# Altium PCB PCB_power_unit_3.PcbDoc (continued)
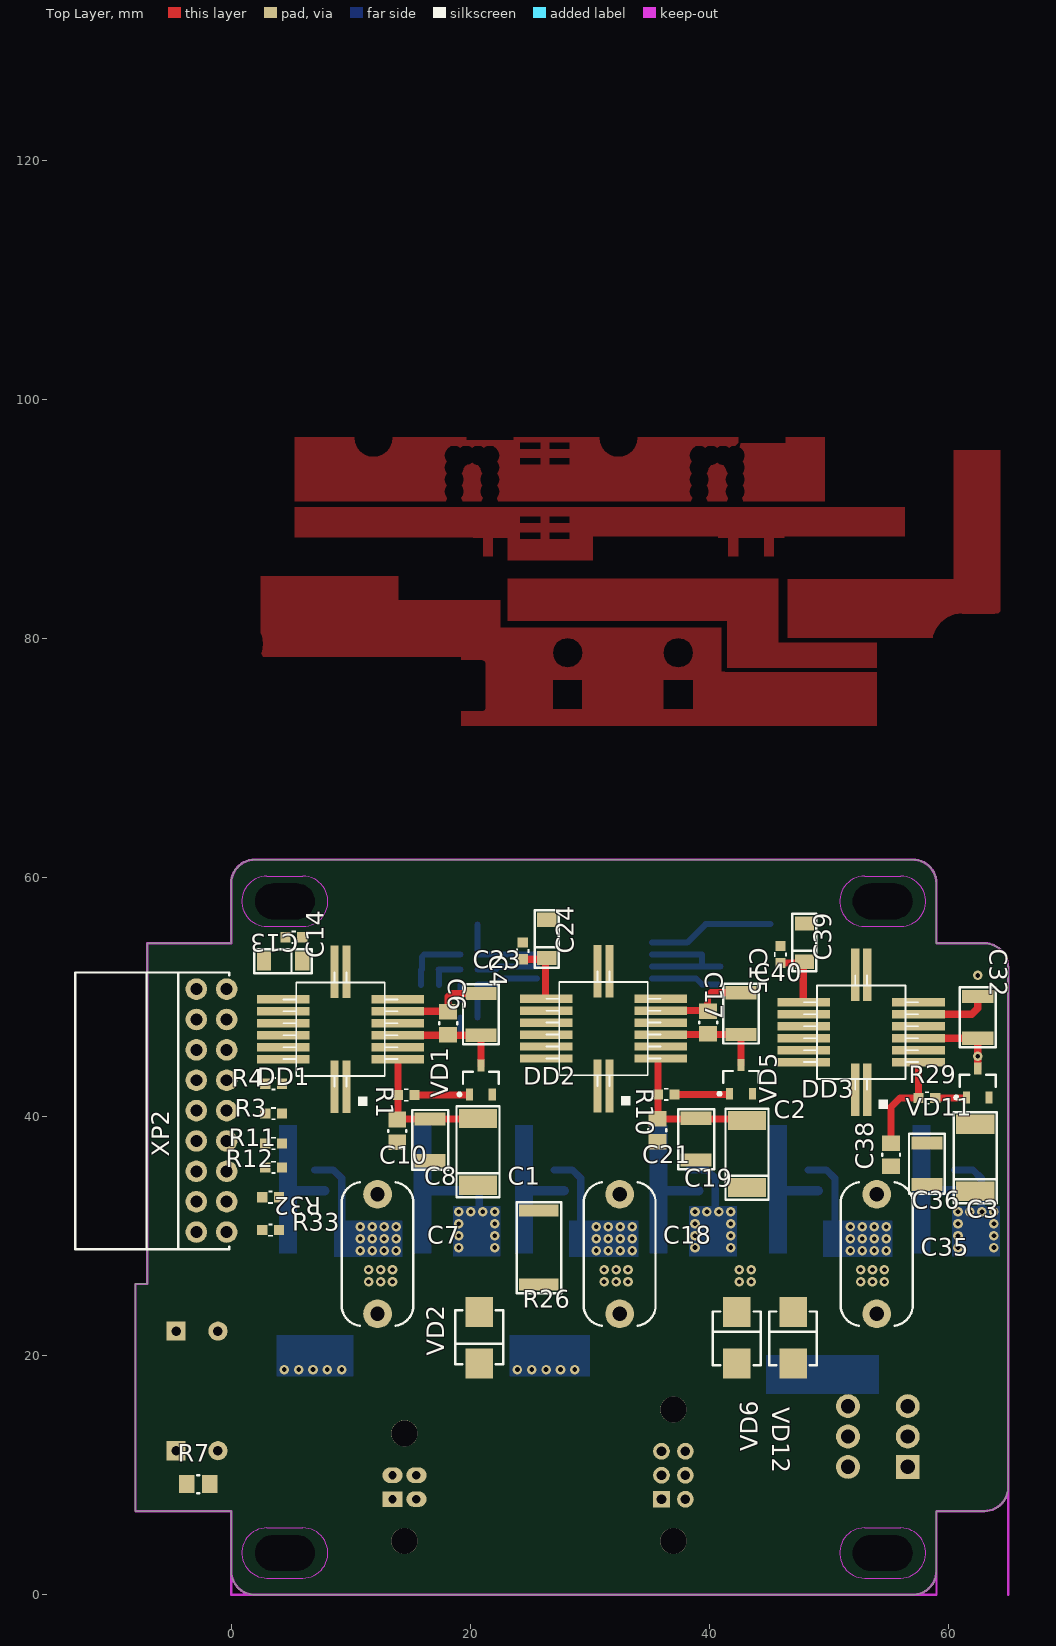
[diagram p0: Top Layer view]
## Components (designator, comment, footprint, x,y, rotation, side; value= is the part's Value field where it differs from the comment) (continued)
R30 "Resistor film, 100, ±5%, 0603, 0.1W, -55...+125°C" "RES: 0603P" 15.9,50.302 r90 bottom value=100
R31 "Resistor film, 2.61k, ±1%, 0603, 0.1W, -55...+125°C" "RES: 0603P" 19.9,54.802 r0 bottom value=2.61k
R32 "Resistor film, 10k, ±5%, 0603, 0.1W, -55...+125°C" "RES: 0603P" 3.3,33.25 r0 top value=10k
R33 "Resistor film, 10k, ±5%, 0603, 0.1W, -55...+125°C" "RES: 0603P" 3.3,30.5 r0 top value=10k
R34 "Resistor film, 20, ±5%, 0805, 0.125W, -55...+125°C" "RES: 0805P" 58.8,38.538 r180 bottom value=20
R35 "Resistor film, 10k, ±5%, 0603, 0.1W, -55...+125°C" "RES: 0603P" 62.05,33.788 r180 bottom value=10k
R36 "Resistor film, 20, ±5%, 0805, 0.125W, -55...+125°C" "RES: 0805P" 46.8,38.538 r180 bottom value=20
R37 "Resistor film, 10k, ±5%, 0603, 0.1W, -55...+125°C" "RES: 0603P" 49.8,33.788 r180 bottom value=10k
VD1 "shottki diode, 80V, 500mA; max 5 A@1ms, 0.8V, <22ns, SOT-23, -55...+150°C" SOT23#1 20.9,43.055 r90 top
VD2 "Zener diode, 56V, 8A, 0.9V, RecoveryTime, SMB, -55...+150°C" "DIODE: SMB" 20.75,21.5 r270 top
VD3 "TVS diode, 18V, 1A, VoltageDrop, RecoveryTime, SOT-23, -55...+150°C" SOT23#2 17.3,35.538 r0 bottom
VD4 "TVS diode, 18V, 1A, VoltageDrop, RecoveryTime, SOT-23, -55...+150°C" SOT23#2 5.8,35.538 r0 bottom
VD5 "shottki diode, 80V, 500mA; max 5 A@1ms, 0.8V, <22ns, SOT-23, -55...+150°C" SOT23#1 42.65,43.11 r90 top
VD6 "Zener diode, 56V, 8A, 0.9V, RecoveryTime, SMB, -55...+150°C" "DIODE: SMB" 47,21.5 r90 top
VD7 "fast Single diode, 80V, 200mA; max 1.5 A, 1V, 4ns, SOT-23, -55...+150°C" SOT23#2 8.702,52.353 r180 bottom
VD8 "TVS diode, 18V, 1A, VoltageDrop, RecoveryTime, SOT-23, -55...+150°C" SOT23#2 37.05,35.538 r0 bottom
VD9 "fast Single diode, 80V, 200mA; max 1.5 A, 1V, 4ns, SOT-23, -55...+150°C" SOT23#2 46.15,54.802 r270 bottom
VD10 "TVS diode, 18V, 1A, VoltageDrop, RecoveryTime, SOT-23, -55...+150°C" SOT23#2 25.8,35.538 r0 bottom
VD11 "shottki diode, 80V, 500mA; max 5 A@1ms, 0.8V, <22ns, SOT-23, -55...+150°C" SOT23#1 62.45,42.805 r90 top
VD12 "Zener diode, 56V, 8A, 0.9V, RecoveryTime, SMB, -55...+150°C" "DIODE: SMB" 42.3,21.5 r90 top
VD13 "TVS diode, 18V, 1A, VoltageDrop, RecoveryTime, SOT-23, -55...+150°C" SOT23#2 59.05,35.538 r0 bottom
VD14 "TVS diode, 18V, 1A, VoltageDrop, RecoveryTime, SOT-23, -55...+150°C" SOT23#2 47.05,35.538 r0 bottom
VD15 "shottki diode, 80V, 500mA; max 5 A@1ms, 0.8V, <22ns, SOT-23, -55...+150°C" SOT23#2 21.25,39 r180 bottom
VD16 "shottki diode, 80V, 500mA; max 5 A@1ms, 0.8V, <22ns, SOT-23, -55...+150°C" SOT23#2 9.75,39 r180 bottom
VD17 "shottki diode, 80V, 500mA; max 5 A@1ms, 0.8V, <22ns, SOT-23, -55...+150°C" SOT23#2 41.25,39 r180 bottom
VD18 "shottki diode, 80V, 500mA; max 5 A@1ms, 0.8V, <22ns, SOT-23, -55...+150°C" SOT23#2 30,39 r180 bottom
VD19 "shottki diode, 80V, 500mA; max 5 A@1ms, 0.8V, <22ns, SOT-23, -55...+150°C" SOT23#2 62.5,39 r180 bottom
VD20 "shottki diode, 80V, 500mA; max 5 A@1ms, 0.8V, <22ns, SOT-23, -55...+150°C" SOT23#2 51.25,39 r180 bottom
VT1 "MOSFET N-channel transistor, 100V, 32A@+25°C, 59nC, 2.5W, 45mOhm, 3200pF, DPAK (KT-89), -55...+150°C" DPAK 18.3,26.538 r270 bottom
VT2 "MOSFET N-channel transistor, 100V, 32A@+25°C, 59nC, 2.5W, 45mOhm, 3200pF, DPAK (KT-89), -55...+150°C" DPAK 7.05,26.538 r270 bottom
VT3 "MOSFET N-channel transistor, 100V, 32A@+25°C, 59nC, 2.5W, 45mOhm, 3200pF, DPAK (KT-89), -55...+150°C" DPAK 38.05,26.538 r270 bottom
VT4 "MOSFET N-channel transistor, 100V, 32A@+25°C, 59nC, 2.5W, 45mOhm, 3200pF, DPAK (KT-89), -55...+150°C" DPAK 26.8,26.538 r270 bottom
VT5 "MOSFET N-channel transistor, 100V, 32A@+25°C, 59nC, 2.5W, 45mOhm, 3200pF, DPAK (KT-89), -55...+150°C" DPAK 60.05,26.538 r270 bottom
VT6 "MOSFET N-channel transistor, 100V, 32A@+25°C, 59nC, 2.5W, 45mOhm, 3200pF, DPAK (KT-89), -55...+150°C" DPAK 48.05,26.538 r270 bottom
XP1 "Power" "CON: M80-5000605" 37,15.5 r0 bottom locked
XP2 "Connector, 18pin, 2.54mm, 500VAC, 3A" "CON: PLD-18R" -2.91,50.66 r90 top
XP3 "Вилка, 4pin, 2mm, 120VAC, 1.5A" "CON: M80-5000405" 14.5,9 r0 bottom locked
XT1 "Terminal connector, 3pin, 3.5mm, 300VAC, 6A" "CON: 233-403 WAGO" 51.6,10.7 r90 bottom locked

## Footprints (in the part's own frame and the unit in brackets; to place one, negate y for a bottom-side part, rotate by r counter-clockwise, add the part's x,y. Pads: shape width x height; smd on the part's side, far side on the other; paste and mask are expansions set on the pad)
16-Н04.16-1B [mm] "USSR"
  rect 0.7x4.4 smd mask+0.05: 1(-0.5,4.8) 8(-0.5,-4.8) 9(0.5,-4.8) 16(0.5,4.8)
  rect 4.4x0.7 smd mask+0.05: 2(-4.8,2.5) 3(-4.8,1.5) 4(-4.8,0.5) 5(-4.8,-0.5) 6(-4.8,-1.5) 7(-4.8,-2.5) 10(4.8,-2.5) 11(4.8,-1.5) 12(4.8,-0.5) 13(4.8,0.5) 14(4.8,1.5) 15(4.8,2.5)
  silkscreen extent -4.77,-4.77 4.77,6.4, body extent -7.84,-8 7.84,8, height 2.92
"CAP: 0603P" [mm] "small var"
  rect 0.85x0.85 smd: 1(-0.7,0) 2(0.7,0)
  silkscreen extent -0.2,-0.55 0.2,0.55, body extent -0.8,-0.4 0.8,0.4, height 0.3
"CAP: 0805P" [mm] "small footprint"
  rect 1.3x1.5 smd: 1(-0.95,0) 2(0.95,0)
  Top Layer pour cut-out: -0.25,-0.75 -0.25,0.75 0.25,0.75 0.25,-0.75
  silkscreen extent -0.08,-0.75 0.08,0.75, body extent -1,-0.62 1,0.63, height 0.78
"CAP: 1210" [mm]
  rect 1.1x2.6 smd: 1(-1.75,0) 2(1.75,0)
  silkscreen extent -2.5,-1.5 2.5,1.5, body extent -2,-1.24 2,1.24, height 1.7
"CAP: D8C3.5H12" [mm]
  rect 1.6x1.6 hole 0.8: 1(-1.75,0)
  round 1.6 hole 0.8: 2(1.75,0)
  silkscreen extent -4,-4 4,4, body extent -4.25,-4.25 4.25,4.25, height 13
"CAP: K73-17 12X10X6" [mm] "63V, 0.22uF"
  round 2.4 hole 1.2: 1(-5,0) 2(5,0)
  silkscreen extent -6,-3 6,3, body extent -6.5,-2.5 6.5,2.5, height 12.7
"CAP: TANTAL-A" [mm]
  rect 1.2x1.6 smd: 1(-1.6,0) 2(1.6,0)
  silkscreen extent -2.4,-1 2.4,1, body extent -1.7,-0.84 1.7,0.84, height 1.71
"CAP: TANTAL-C" [mm]
  rect 1.6x3.2 smd: 1(-2.8,0) 2(2.8,0)
  silkscreen extent -3.8,-1.8 3.8,1.8, body extent -3.05,-1.67 3.05,1.68, height 2.7
"CON: 233-403 WAGO" [mm] "pcb terminal strip"
  round 2 hole 1.2: 1(0,0) 2(2.54,0) 2(2.54,5) 3(5.08,0) 3(5.08,5)
  rect 2x2 hole 1.2: 1(0,5)
  round 0.5 on Mech2: ""(-3.577,5.073)
  round 0.5 on Bottom Overlay: ""(-3.577,5.073)
  silkscreen extent -2.83,-4.93 7.35,7.63, body extent -2.83,-4.93 7.09,7.4, height 11.73
"CON: M80-5000405" [mm] "4 pin; Harwin без винтов"
  round 2.2 hole 2.2 unplated: 0(0,-4.5) 0(0,4.5)
  rect 1.7x1.3 hole 0.7: 1(-1,1)
  oval 1.7x1.3 hole 0.7: 2(1,1) 3(-1,-1) 4(1,-1)
  silkscreen extent -3,-6.97 3.25,6.97, body extent -2.77,-7 3.28,7, height 5.6
"CON: M80-5000605" [mm] "HR500"
  round 2.2 hole 2.2 unplated mask+0.1: 0(0,0) 0(0,11)
  rect 1.4x1.4 hole 0.8: 1(-1,7.5)
  round 1.4 hole 0.8: 2(1,7.5) 3(-1,5.5) 4(1,5.5) 5(-1,3.5) 6(1,3.5)
  silkscreen extent -3,-2.5 3.25,13.5, body extent -2.78,-2.5 3.27,13.5, height 5.6
"CON: PLD-18R" [mm] "шаг 2.54,  угловая вилка"
  round 1.8 hole 1: 1(-20.32,-2.54) 2(-20.32,0) 3(-17.78,-2.54) 4(-17.78,0) 5(-15.24,-2.54) 6(-15.24,0) 7(-12.7,-2.54) 8(-12.7,0) 9(-10.16,-2.54) 10(-10.16,0) 11(-7.62,-2.54) 12(-7.62,0) 13(-5.08,-2.54) 14(-5.08,0) 15(-2.54,-2.54) 16(-2.54,0) 17(0,-2.54) 18(0,0)
  round 0.5 on Top Overlay: ""(-21.57,-3.27)
  silkscreen extent -21.77,-2.77 1.39,10.13, body extent -21.59,-2.82 1.27,10.08, height 5.08
"DIODE: SMB" [mm]
  rect 2.5x2.3 smd: 1(-2.15,0) 2(2.15,0)
  silkscreen extent -2.3,-2 2.2,2, body extent -2.75,-1.95 2.75,1.95, height 2.45
DPAK [mm]
  rect 3x1.6 smd: 1(-3.25,2.29) 2(-3.25,-2.29)
  rect 6.7x6.7 smd: 3(3.25,0)
  round 0.5 on Mech2: ""(-3.2,2.9)
  silkscreen extent -3.37,-3.62 6.9,3.71, body extent -3.8,-3.32 6.3,3.42, height 2.37
"RES: 0603P" [mm] "small footprint"
  rect 0.85x0.85 smd: 1(-0.7,0) 2(0.7,0)
  silkscreen extent -0.2,-0.55 0.2,0.55, body extent -0.8,-0.4 0.8,0.4, height 0.44
"RES: 0805P" [mm] "small footprint"
  rect 1.3x1.5 smd: 1(-0.95,0) 2(0.95,0)
  Top Layer pour cut-out: -0.25,-0.75 -0.25,0.75 0.25,0.75 0.25,-0.75
  silkscreen extent -0.08,-0.75 0.08,0.75, body extent -1,-0.62 1,0.63, height 0.6
"RES: 2512" [mm]
  rect 1x3.3 smd: 1(-3.1,0) 2(3.1,0)
  silkscreen extent -3.8,-1.85 3.8,1.85, body extent -3.17,-1.6 3.18,1.6, height 0.52
SOT23#1 [mm]
  rect 1x0.6 smd: 1(-1.2,0.95) 2(-1.2,-0.95) 3(1.2,0)
  round 0.5 on Mech1: ""(-0.9,1.1)
  silkscreen extent -1.32,-1.5 0.7,1.92, body extent -1.32,-1.52 1.32,1.52, height 1.12
SOT23#2 [mm]
  rect 1x0.6 smd: 1(-1.2,0.95) 2(-1.2,-0.95) 3(1.2,0)
  round 0.5 on Mech2: ""(-0.9,1.1)
  silkscreen extent -1.32,-1.5 0.7,1.92, body extent -1.32,-1.52 1.32,1.52, height 1.12

## Part data
C1 C2 C3: library part Tantal_C, Manufacturer=Элеконд, Package="case C (6032)", PartNumber="К53-68 \"С\"-25 В-10 мкф ±10%", Temperature=-60...+125°C, Tolerance=±10%, TypeCapacitor="Tantalum capacitor", TypeDielectric=X7R, Voltage=25V, HelpURL=https://eandc.ru/pdf/kondensator/k53-68.pdf, Impedance=0.8-1Ohm, ValueManufacturerPartNumber="Tantalum capacitor, 10мк, 25V, ±10%, 0.8-1Ohm, case C (6032), -60...+125°C"
C4 C8 C15 C19 C32 C36: library part Ceramic_1210, Manufacturer=Monolit, Package=1210, PartNumber="К10-84в-3225М-25~В-Н20-1 мкФ-O-A ±10% ФЦТА.673516.016 ТУ", Temperature=-55...+125°C, Tolerance=±10%, TypeCapacitor="Ceramic capacitor", TypeDielectric="Н20 (X7R)", Voltage=25V, HelpURL=http://monolit.vitebsk.by/products/kondensatory/K1084NOVYE/, ValueManufacturerPartNumber="Ceramic capacitor, 1мк, Н20 (X7R), ±10%, 25V, 1210, -55...+125°C"
C6 C10 C17 C21 C34 C38: library part Ceramic_0805, Manufacturer=Монолит, Package="0805 (2012)", PartNumber="К10-84в-2012М-50В-0,1 мкФ +80/-20%-Н90-N-A", Temperature=-55...+125°C, Tolerance="+80 -20%", TypeCapacitor="Ceramic capacitor", TypeDielectric="Н90 (Y5V)", Voltage=50V, Analog="00131672 (pin-to-pin)", HelpURL=http://monolit.vitebsk.by/products/kondensatory/K1084NOVYE/, ValueManufacturerPartNumber="Ceramic capacitor, 0.1мк, Н90 (Y5V), +80 -20%, 50V, 0805 (2012), -55...+125°C"
C7 C18 C35: library part Film, Manufacturer=Гириконд, Package="12x10 mm", PartNumber="K73-17-63В-0,22мкФ±10%-В АЖЯР.673633.004 ТУ", Temperature=-60...+125°C, Tolerance=±10%, TypeCapacitor="Film capacitor", Voltage=63VDC, HelpURL=http://www.giricond.ru/files/k73-17_.pdf, ValueManufacturerPartNumber="Film capacitor, 0.22мк, 63VDC, ±10%, Impedance, 12x10 mm, -60...+125°C"
C11 C12: library part Aluminium, Manufacturer=Элеконд, Package="8x11.3x3.5 mm", PartNumber="K50-93-63В-100мкФ ±20% -И-В АЖЯР.673541.021 ТУ", Temperature=-60...+100°C, Tolerance=±20%, TypeCapacitor="Aluminium capacitor", Voltage=63V, HelpURL=https://elecond.ru/production/capacitors/aluminum/k50-93, Impedance=0.342Ohm@100kHz, MAX=00139211, ValueManufacturerPartNumber="Aluminium capacitor, 100мк, 63V, ±20%, 0.342Ohm@100kHz, 8x11.3x3.5 mm, -60...+100°C"
C13 C24 C39: library part Tantal_A, Manufacturer=Элеконд, Package="case A (3216)", PartNumber="К53-68 \"А\"-10 В-4.7 мкф", Temperature=-55...+125°C, Tolerance=±10%, TypeCapacitor="Tantalum capacitor", TypeDielectric=X7R, Voltage=10V, HelpURL=https://www.digikey.com/product-detail/en/avx-corporation/F930J107KAAAJ6/478-12404-1-ND/9645231, Impedance=2Ohm, MAX=00130629, ValueManufacturerPartNumber="Tantalum capacitor, 4.7мк, 10V, ±10%, 2Ohm, case A (3216), -55...+125°C"
C14 C23 C30 C40: library part Ceramic_0603, Manufacturer=Гириконд, Package=0603, PartNumber="К10-79-10В-0,1 мкФ +80-20% H90", Temperature=-55...+125°C, Tolerance=+80-20%, TypeCapacitor="Ceramic capacitor", TypeDielectric=H90, Voltage=10V, HelpURL=http://www.giricond.ru/files/k10-79_vp_2018_saiyt.pdf, ValueManufacturerPartNumber="Ceramic capacitor, 0.1мк, H90, +80-20%, 10V, 0603, -55...+125°C"
  C14 C40: MAX=00131675
C22 C25 C26 C28 C29: library part Ceramic_0603, Manufacturer=Монолит, Package=0603, PartNumber="К10-84в-1608М-50В-0.01мк ±20%-Н20-N-A", Temperature=-55...+125°C, Tolerance=±20%, TypeCapacitor="Ceramic capacitor", TypeDielectric=H20, Voltage=50V, HelpURL=http://www.monolit.vitebsk.by/Files/K10-84.pdf, ValueManufacturerPartNumber="Ceramic capacitor, 0.01мк, H20, ±20%, 50V, 0603, -55...+125°C"
  C22 C26 C28 C29: Analog="MAX 00131676 (pin-to-pin)"
  C25: Analog="MAX 00132726 (pin-to-pin)"
C27 C31: library part Ceramic_0603, Manufacturer=Монолит, Package=0603, PartNumber="К10-84в-1608М-50В-47 пФ ±10%-МП0-N-A", Temperature=-55...+125°C, Tolerance=±10%, TypeCapacitor="Ceramic capacitor", TypeDielectric=МП0, Voltage=50V, Analog="00124425 (pin-to-pin)", HelpURL=http://monolit.vitebsk.by/products/kondensatory/K1047Mabv/, ValueManufacturerPartNumber="Ceramic capacitor, 47, МП0, ±10%, 50V, 0603, -55...+125°C"
DA1: "Op. Amp rail-to-rail", Manufacturer="НПП \"Восток\"", Analog=OP284FS, CodeMAX=00135502, HelpURL=http://www.vostok.nsk.su/files/pdf/544UD16U3.pdf, MAX=00135502, Part_Number=544УД16У3, Pattern/Footprint=16-Н04.16-1B, Published=2019, Publisher=Sokolov, TU="АЕЯР.431130.510 ТУ", Type="Операционный усилитель"
DD1 DD2 DD3: library part 1308ЕУ4БУ, "Gate driver", CurrentOutput=2A, Manufacturer="Кремний Эл", Package=Н04.16-2В, PartNumber=1308ЕУ4АУ, VoltageSupply="supply 4...15V", Analog="IR2113 IR", ComponentType="Hight&Low side gate driver", HelpURL=http://caxapa.ru/parts/files/1SHKtJ3.pdf, MAX=00131005, ValueManufacturerPartNumber="Hight&Low side gate driver, VoltageWork, Frequency, 2A, supply 4...15V, Temperature, Н04.16-2В"
R1 R10 R29: library part Resistor_0603, Manufacturer="ОАО Ресурс", Package=0603, PartNumber="Р1-12-0,1ум.-10~Ом ±2%-М ШКАБ.434110.002 ТУ", Power=0.1W, Temperature=-55...+125°C, Tolerance=±5%, TypeResistor="Resistor film", HelpURL=https://aoresurs.com/catalog/chip_rezistory/rezistory-r1-12-kategoriya-kachestva-vp-/, MAX=00133989, ValueManufacturerPartNumber="Resistor film, 10, ±5%, 0603, 0.1W, -55...+125°C"
R2 R3 R4 R6 R9 R11 R12 R14 R21 R32 R33 R35 R37: library part Resistor_0603, Manufacturer="ОАО Ресурс", Package=0603, PartNumber="Р1-12-0,1ум.-10~кОм ±5%-М ШКАБ.434110.002 ТУ", Power=0.1W, Temperature=-55...+125°C, Tolerance=±5%, TypeResistor="Resistor film", Analog="MAX 00133986 (1%)", HelpURL=https://aoresurs.com/catalog/chip_rezistory/rezistory-r1-12-kategoriya-kachestva-vp-/, ValueManufacturerPartNumber="Resistor film, 10k, ±5%, 0603, 0.1W, -55...+125°C"
R5 R8 R13 R20 R34 R36: library part Resistor_0805, Manufacturer="ОАО Ресурс", Package=0805, PartNumber="Р1-12-0,125-20 Ом ±5%-М ШКАБ.434110.002 ТУ", Power=0.125W, Temperature=-55...+125°C, Tolerance=±5%, TypeResistor="Resistor film", Analog="MAX 00133867 (22Ом)", HelpURL=https://aoresurs.com/catalog/chip_rezistory/rezistory-r1-12-kategoriya-kachestva-vp-/, ValueManufacturerPartNumber="Resistor film, 20, ±5%, 0805, 0.125W, -55...+125°C"
R7: library part Resistor_0603, Manufacturer="ОАО Ресурс", Package=0805, PartNumber="Р1-12-0,125-10~кОм ±1%-М ШКАБ.434110.002 ТУ", Power=0.125W, Temperature=-55...+125°C, Tolerance=±1%, TypeResistor="Resistor film", HelpURL=https://aoresurs.com/catalog/chip_rezistory/rezistory-r1-12-kategoriya-kachestva-vp-/, MAX=00134578, ValueManufacturerPartNumber="Resistor film, 10k, ±1%, 0805, 0.125W, -55...+125°C"
R15 R16: library part Resistor_0603, Manufacturer="ОАО Ресурс", Package=0603, PartNumber="Р1-12-0,1ум.-28~кОм ±5%-М ШКАБ.434110.002 ТУ", Power=0.1W, Temperature=-55...+125°C, Tolerance=±1%, TypeResistor="Resistor film", HelpURL=https://aoresurs.com/catalog/chip_rezistory/rezistory-r1-12-kategoriya-kachestva-vp-/, MAX=00134035, ValueManufacturerPartNumber="Resistor film, 28k, ±1%, 0603, 0.1W, -55...+125°C"
R17 R23 R25 R30: library part Resistor_0603, Manufacturer="ОАО Ресурс", Package=0603, PartNumber="Р1-12-0,1ум.-100~Ом ±5%-М ШКАБ.434110.002 ТУ", Power=0.1W, Temperature=-55...+125°C, Tolerance=±5%, TypeResistor="Resistor film", HelpURL=https://aoresurs.com/catalog/chip_rezistory/rezistory-r1-12-kategoriya-kachestva-vp-/, MAX=00133991, ValueManufacturerPartNumber="Resistor film, 100, ±5%, 0603, 0.1W, -55...+125°C"
R18: library part Resistor_0603, Manufacturer="ОАО Ресурс", Package=0603, PartNumber="Р1-12-0,1ум.-4.02~кОм±1%-М ШКАБ.434110.002 ТУ", Power=0.1W, Temperature=-55...+125°C, Tolerance=±1%, TypeResistor="Resistor film", HelpURL=https://aoresurs.com/catalog/chip_rezistory/rezistory-r1-12-kategoriya-kachestva-vp-/, MAX=00134054, ValueManufacturerPartNumber="Resistor film, 4.02k, ±1%, 0603, 0.1W, -55...+125°C"
R19 R24 R28: library part Resistor_0603, Manufacturer="ОАО Ресурс", Package=0603, PartNumber="Р1-12-0,1ум.-1~кОм ±1%-М ШКАБ.434110.002 ТУ", Power=0.1W, Temperature=-55...+125°C, Tolerance=±1%, TypeResistor="Resistor film", HelpURL=https://aoresurs.com/catalog/chip_rezistory/rezistory-r1-12-kategoriya-kachestva-vp-/, MAX=00133971, ValueManufacturerPartNumber="Resistor film, 1k, ±1%, 0603, 0.1W, -55...+125°C"
R22 R31: library part Resistor_0603, Manufacturer="ОАО Ресурс", Package=0603, PartNumber="Р1-12-0,1ум.-2.61~кОм±1%-М ШКАБ.434110.002 ТУ", Power=0.1W, Temperature=-55...+125°C, Tolerance=±1%, TypeResistor="Resistor film", HelpURL=https://aoresurs.com/catalog/chip_rezistory/rezistory-r1-12-kategoriya-kachestva-vp-/, MAX=00134019, ValueManufacturerPartNumber="Resistor film, 2.61k, ±1%, 0603, 0.1W, -55...+125°C"
R26: library part Resistor_2512, Manufacturer=Эркон, Package=2512, PartNumber="Р1-105-0,75-0,056 Ом±1% А РМУ.434150.001 ТУ", Power=0.75W, Temperature=-55...+125°C, Tolerance=±1%, TypeResistor="Resistor film", HelpURL=https://www.digikey.com/product-detail/en/yageo/RC2512JK-07100RL/YAG3393CT-ND/5962215, MAX=00149851, ValueManufacturerPartNumber="Resistor film, 0.056, ±1%, 2512, 0.75W, -55...+125°C"
VD1 VD5 VD11 VD15 VD16 VD17 VD18 VD19 VD20: library part 2ДШ205А9_SOT-23, Current="500mA; max 5 A@1ms", Manufacturer="ВЗПП Воронеж", Package=SOT-23, PartNumber=2ДШ205А9, Temperature=-55...+150°C, Voltage=80V, VoltageDrop=0.8V, Analog=MBR0580, RecoveryTime=<22ns, TypeDiode="shottki diode", ValueManufacturerPartNumber="shottki diode, 80V, 500mA; max 5 A@1ms, 0.8V, <22ns, SOT-23, -55...+150°C"
VD2 VD6 VD12: library part TVS_single, Current=8A, Manufacturer=ВЗПП, Package=SMB, PartNumber=2РС202Е91, Temperature=-55...+150°C, Voltage=56V, VoltageDrop=0.9V, Analog="SMBJ48CA (pin-to-pin)", HelpURL=http://www.nzpp.ru/product/, TypeDiode="Zener diode", ValueManufacturerPartNumber="Zener diode, 56V, 8A, 0.9V, RecoveryTime, SMB, -55...+150°C"
VD3 VD4 VD8 VD10 VD13 VD14: library part TVS_array_var2, Current=1A, Manufacturer=КРИП, Package=SOT-23, PartNumber=2Р192В9, Temperature=-55...+150°C, Voltage=18V, Analog="КР192А9 (ОТК) (pin-to-pin)", Cap=21pF, NOTE="указано для pin1-pin3", TypeDiode="TVS diode", Uогр.=22.5V, ValueManufacturerPartNumber="TVS diode, 18V, 1A, VoltageDrop, RecoveryTime, SOT-23, -55...+150°C"
VD7 VD9: library part Diode_single_SOT23, Current="200mA; max 1.5 A", Manufacturer=КРИП, Package=SOT-23, PartNumber=2Д707Б9, Temperature=-55...+150°C, Voltage=80V, VoltageDrop=1V, Analog=BAS16, HelpURL=https://kriptehno.ru/wp-content/uploads/2018/09/short_cat_kriptehno.pdf, RecoveryTime=4ns, TypeDiode="fast Single diode", ValueManufacturerPartNumber="fast Single diode, 80V, 200mA; max 1.5 A, 1V, 4ns, SOT-23, -55...+150°C"
VT1 VT2 VT3 VT4 VT5 VT6: library part 2ПЕ208В92_N_DPAK, "Ангстрем (ВП)", CurrentDS=32A@+25°C, InputCapacitor=3200pF, Manufacturer=Ангстрем, MaxPower=2.5W, Package="DPAK (KT-89)", PartNumber=2ПЕ208В92, Temperature=-55...+150°C, VoltageDS=100V, Analog=AnD28N10, GateCharge=59nC, HelpURL=https://angstrem.ru/ru/and28n10, RDS=45mOhm, TypeTransistor="MOSFET N-channel transistor", ValueManufacturerPartNumber="MOSFET N-channel transistor, 100V, 32A@+25°C, 59nC, 2.5W, 45mOhm, 3200pF, DPAK (KT-89), -55...+150°C"
XP1: library part "M80-5000605 Harwin", "вилка на плату", CurrentMax=1.5A, Manufacturer=Электродеталь, PartNumber=СНП401-6ВП21-3-1-1, ValueManufacturerPartNumber="Вилка, 6pin, 2mm, 120VAC, 1.5A", VoltageMax=120VAC, Analog="MAX 00126397 (M80-5000605 pin-to-pin)", CommentText=СНП401, HelpURL=https://eu.mouser.com/ProductDetail/Harwin/M80-5000605?qs=yQtJ9TWM%2F1KaJIUUBEXorg%3D%3D, Multichannel=6pin, Pitch=2mm, TypeConnector=Вилка
XP2: library part PLD-18, CurrentMax=3A, Manufacturer=Электродеталь, PartNumber="СНП393-18ВП31-2-01-5 РЮМК.430420.035 ТУ", VoltageMax=500VAC, Analog="MAX 000724477 (PLD-80R с доработкой до 18pin)", CommentText=СНП393, Multichannel=18pin, Pitch=2.54mm, TypeConnector=Connector, ValueManufacturerPartNumber="Connector, 18pin, 2.54mm, 500VAC, 3A"
XP3: library part "M80-5000405 Harwin", "вилка на плату", CurrentMax=1.5A, Manufacturer=Электродеталь, PartNumber=СНП401-4ВП21-3-1-1, VoltageMax=120VAC, Analog="MAX 00138661", CommentText=СНП401, HelpURL=https://eu.mouser.com/ProductDetail/Harwin/M80-5000405?qs=yQtJ9TWM%2F1IJnFqYnM2R9Q%3D%3D, Multichannel=4pin, Pitch=2mm, TypeConnector=Вилка, ValueManufacturerPartNumber="Вилка, 4pin, 2mm, 120VAC, 1.5A"
XT1: library part Connector_terminal_3pin, CurrentMax=6A, Manufacturer="Завод Атлант", PartNumber="СКПП-0.5-2.54У-3x2-2 СЦНК.434410.044 ТУ", VoltageMax=300VAC, Analog="233-403 Wago", CommentText=СКПП-0.5-2.54У, HelpURL=http://xn--80aaagkp6are6bd.xn--p1ai/main/soediniteli_klemmnye/klemmy_dlja_pechatnogo_montazha/skpp_05_254u_1(24)h2_2(3), Multichannel=3pin, Pitch=3.5mm, TypeConnector="Terminal connector", ValueManufacturerPartNumber="Terminal connector, 3pin, 3.5mm, 300VAC, 6A"

## Free pads (board coordinates)
  round 2.7 hole 3 slot 5 at 0 deg unplated mask+0.2: 1(4.5,3.5) 1(4.5,58) 1(54.5,3.5) 1(54.5,58)

## Via types
v1: diameter 0.8, hole 0.4, Top Layer to Bottom Layer, tented both sides, 100 vias

## Nets (pads, with @x,y where several pads share a name; then routed paths per layer and width w, separated by ;. In a path a pad name is that pad's centre, name@x,y a point inside that pad or via, vN(x,y) a via of type N, cw(c..) or ccw(c..) an arc to the next point about the centre after c; other vN are vias at no path point)
3V3A: C30.2 DA1.14 VD7.3 VD9.3 XP2.17 | length 6
  Bottom Layer w0.5: DA1.14 38.9,51.552 39.4,51.052 C30.2
5V: C13.1 C14.2 C23.2 C24.1 C39.1 C40.2 DD1.9 DD1.10 DD2.9 DD2.10 DD3.9 DD3.10 XP2.6 | length 10.3
  Top Layer w0.6: C23.2 26.3,53.16 DD2.10@26.3,49.91 ; C40.2 47.85,52.855 DD3.10@47.85,49.605
15DC: C25.1 R15.1 R18.2 VD7.1 XP2.12
+15V: C1.2 C2.2 C3.2 C8.2 C10.2 C19.2 C21.2 C36.2 C38.2 DD1.2 DD2.2 DD3.2 R1.1 R10.1 R15.2 R29.1 XP1.1 | length 33
  Top Layer w0.5: C1.2@20.5,39.805 C1.2@20.8,39.505
  Top Layer w0.6: C10.2 13.95,39.805 R1.1 DD1.2 ; C10.2@14.2,39.805 C1.2@20.5,39.805 ; DD2.2@35.7,44.81 R10.1 35.7,39.86 C21.2 43,39.81 C2.2 ; C38.2 55.2,40.805 55.95,41.555 R29.1 DD3.2
+27V: C7.1 C11.1 C12.1 C18.1 C35.1 R7.2 R16.2 VD2.2 VD6.2 VD12.2 VT1.3 VT3.3 VT5.3 XP1.3 XP1.5
AGND: C22.2 C25.2 C26.2 C29.2 C30.1 C31.2 DA1.6 R18.1 R19.1 R31.1 XP2.18
GND: C13.2 C14.1 C23.1 C24.2 C39.2 C40.1 DD1.11 DD1.15 DD2.11 DD2.15 DD3.11 DD3.15 R2.2 R3.2 R4.2 R11.2 R12.2 R32.2 R33.2 XP2.4 XP3.2 XP3.4
HI1: DD1.12 R2.1 XP2.13
HI2: DD2.12 R11.1 XP2.7
HI3: DD3.12 R32.1 XP2.3
IDC: C29.1 R25.2 XP2.16 | length 1.5
  Bottom Layer w0.5: C29.1 R25.2
Limit_L: XP2.10 XP3.1
Limit_R: XP2.8 XP3.3
LO1: DD1.14 R3.1 XP2.9
LO2: DD2.14 R12.1 XP2.5
LO3: DD3.14 R33.1 XP2.1
NetC4_2: C4.2 C6.2 DD1.4 VD1.3 | length 9.5
  Top Layer w0.6: DD1.4 C4.2 VD1.3
NetC15_2: C15.2 C17.2 DD2.4 VD5.3 | length 8.6
  Top Layer w0.6: DD2.4 C17.2@39.85,46.86 ; C17.2@39.95,46.86 C15.2 ; VD5.3 C15.2@42.65,46.36
NetC26_1: C26.1 DA1.11 R16.1 R19.2 VD9.1 | length 10.5
  Bottom Layer w0.5: DA1.11 38.15,54.552 39.7,56.102 C26.1 VD9.1@45.1,56.102
NetC27_1: C27.1 DA1.3 R22.2 R25.1 | length 8
  Bottom Layer w0.5: R25.1 C27.1 R22.2 22.15,51.052 22.65,51.552 DA1.3
NetC27_2: C27.2 DA1.4 R22.1 R24.2 | length 6.4
  Bottom Layer w0.5: C27.2 R22.1 ; R24.2 22.15,52.302 22.4,52.552 DA1.4
NetC28_1: C28.1 R23.2 R24.1 | length 3.1
  Bottom Layer w0.5: C28.1 R24.1 ; R23.2 C28.1@17.4,52.252
NetC28_2: C28.2 R28.1 R30.2 | length 5.7
  Bottom Layer w0.5: R30.2 15.9,52.252 C28.2 15.95,53.352 16.15,53.552 R28.1
NetC31_1: C31.1 DA1.5 R28.2 R31.2 | length 7.5
  Bottom Layer w0.5: C31.1 R31.2 R28.2 DA1.5
NetC32_2: C32.2 C34.2 DD3.4 VD11.3 | length 7.5
  Top Layer w0.6: DD3.4 C32.2 VD11.3
  other v1: 62.45,45.055
NetDA1_12: DA1.12 DA1.13 R17.1 | length 10.9
  Bottom Layer w0.5: DA1.13 R17.1 ; DA1.12 39.4,53.552 39.4,52.552
NetDD1_1: DD1.1 R8.1 VD16.3
NetDD1_5: DD1.5 R5.1 VD15.3
NetDD2_1: DD2.1 R20.1 VD18.3
NetDD2_5: DD2.5 R13.1 VD17.3
NetDD3_1: DD3.1 R36.1 VD20.3
NetDD3_5: DD3.5 R34.1 VD19.3
NetR1_2: R1.2 VD1.1 | length 4.6
  Top Layer w0.5: VD1.1@19.9,41.805 VD1.1
  Top Layer w0.6: R1.2 VD1.1@19.9,41.805
NetR5_2: R5.2 R6.2 VD3.1 VD3.2 VD15.1 VT1.1 | length 3.3
  Bottom Layer w0.8: 16.05,33.788 R6.2
NetR8_2: R8.2 R9.2 VD4.1 VD4.2 VD16.1 VT2.1 | length 3.3
  Bottom Layer w0.8: 4.55,33.788 R9.2
NetR10_2: R10.2 VD5.1 | length 4.6
  Top Layer w0.6: R10.2 VD5.1@41.7,41.86
NetR13_2: R13.2 R14.2 VD8.1 VD8.2 VD17.1 VT3.1 | length 3.3
  Bottom Layer w0.8: 35.8,33.788 R14.2
NetR20_2: R20.2 R21.2 VD10.1 VD10.2 VD18.1 VT4.1 | length 3.3
  Bottom Layer w0.8: 24.55,33.788 R21.2
NetR29_2: R29.2 VD11.1 | length 2.6
  Top Layer w0.6: R29.2 61.45,41.555 VD11.1
NetR34_2: R34.2 R35.2 VD13.1 VD13.2 VD19.1 VT5.1 | length 3.3
  Bottom Layer w0.8: 58.05,33.788 R35.2
NetR36_2: R36.2 R37.2 VD14.1 VD14.2 VD20.1 VT6.1 | length 3.3
  Bottom Layer w0.8: 45.8,33.788 R37.2
PGND: C1.1 C2.1 C3.1 C7.2 C11.2 C12.2 C18.2 C35.2 R7.1 R23.1 R26.2 VD2.1 VD6.1 VD12.1 XP1.2 XP1.4 XP1.6
  other v1: 11.5,26.188 12.5,26.188 13.5,26.188 31.2,26.188 32.2,26.188 33.2,26.188 42.5,26.188 43.5,26.188 52.65,26.188 53.65,26.188 54.65,26.188 11.5,27.188 12.5,27.188 13.5,27.188 31.2,27.188 32.2,27.188 33.2,27.188 42.5,27.188 43.5,27.188 52.65,27.188 53.65,27.188 54.65,27.188
PGND_: C8.1 C10.1 C19.1 C21.1 C36.1 C38.1 DD1.16 DD2.16 DD3.16 R9.1 R21.1 R26.1 R30.1 R37.1 VD4.3 VD10.3 VD14.3 VT2.2 VT4.2 VT6.2 | length 22.6
  Bottom Layer w0.6: VD4.3 8.55,35.538 9.25,34.838 R9.1 VT2.2@9.25,29.878 ; VD10.3 28.55,35.538 29.25,34.838 R21.1 ; VT4.2@29,29.878 VT4.2 ; VT4.2@29.25,29.878 R21.1@29.25,33.588 ; VD14.3 49.8,35.538 50.5,34.838 R37.1 50.5,29.948 VT6.2
  other v1: 10.8,28.788 11.8,28.788 12.8,28.788 13.8,28.788 30.55,28.788 31.55,28.788 32.55,28.788 33.55,28.788 51.8,28.788 52.8,28.788 53.8,28.788 54.8,28.788 10.8,29.788 11.8,29.788 12.8,29.788 13.8,29.788 30.55,29.788 31.55,29.788 32.55,29.788 33.55,29.788 51.8,29.788 52.8,29.788 53.8,29.788 54.8,29.788 10.8,30.788 11.8,30.788 12.8,30.788 13.8,30.788 30.55,30.788 31.55,30.788 32.55,30.788 33.55,30.788 51.8,30.788 52.8,30.788 53.8,30.788 54.8,30.788
SD: DD1.13 DD2.13 DD3.13 R4.1 XP2.11
U: C4.1 C6.1 DD1.6 R6.1 VD3.3 VT1.2 VT2.3 XT1.1 | length 10.3
  Top Layer w0.5: DD1.6 DD1.6@14,48.755
  Top Layer w0.6: DD1.6 18.1,48.805 C6.1 18.15,50.055 18.4,50.305 C4.1
  Bottom Layer w0.6: R6.1 20.75,32.338 v1(21.05,32.038)
  other v1: 4.45,18.842 5.65,18.842 6.85,18.842 8.05,18.842 9.25,18.842 19.05,29.038 22.05,29.038 19.05,30.038 22.05,30.038 19.05,31.038 22.05,31.038 19.05,32.038 20.05,32.038 22.05,32.038
UDC: C22.1 R17.2 XP2.14
V: C15.1 C17.1 DD2.6 R14.1 VD8.3 VT3.2 VT4.3 XT1.2 | length 13.5
  Top Layer w0.6: DD2.6 39.85,48.86 39.85,50.06 40.15,50.36 C15.1
  Bottom Layer w0.6: VD8.3 39.8,35.538 40.5,34.838 R14.1 40.5,32.338 v1(40.8,32.038)
  other v1: 23.95,18.842 25.15,18.842 26.35,18.842 27.55,18.842 28.75,18.842 38.8,29.038 41.8,29.038 38.8,30.038 41.8,30.038 38.8,31.038 41.8,31.038 38.8,32.038 39.8,32.038 41.8,32.038
W: C32.1 C34.1 DD3.6 R35.1 VD13.3 VT5.2 VT6.3 XT1.3 | length 11.5
  Top Layer w0.6: DD3.6 61.95,48.555 62.45,49.055 C32.1
  Bottom Layer w0.6: VD13.3@60.5,35.538 62.05,35.538 62.75,34.838 R35.1 62.75,32.088 v1(62.8,32.038)
  other v1: 60.8,29.038 63.8,29.038 60.8,30.038 63.8,30.038 60.8,31.038 63.8,31.038 60.8,32.038 61.8,32.038 63.8,32.038 62.45,51.805
pads on no net: DA1.1 DA1.2 DA1.7 DA1.8 DA1.9 DA1.10 DA1.15 DA1.16 DD1.3 DD1.7 DD1.8 DD2.3 DD2.7 DD2.8 DD3.3 DD3.7 DD3.8 VD1. VD1.2 VD3. VD4. VD5. VD5.2 VD7. VD7.2 VD8. VD9. VD9.2 VD10. VD11. VD11.2 VD13. VD14. VD15. VD15.2 VD16. VD16.2 VD17. VD17.2 VD18. VD18.2 VD19. VD19.2 VD20. VD20.2 VT1. VT2. VT3. VT4. VT5. VT6. XP1.0 XP2. XP2.2 XP2.15 XP3.0 XT1.

## Polygon pours and split planes (outlines as drawn)
W on Top Layer "W_L01_P050" (solid, remove dead copper, pour order 50): 60.45,95.752 64.35,95.752 64.35,80.052 61.35,80.052 46.55,80.052 46.55,84.952 60.45,84.952
U on Top Layer "U_L01_P028" (solid, remove dead copper, pour order 28): 54,72.706 54,77.206 41,77.206 41,80.906 22.5,80.906 22.5,83.206 14,83.206 14,85.206 2.5,85.206 2.5,78.456 19.25,78.456 19.25,72.706
PGND on Top Layer "PGND_L01_P044" (solid, remove dead copper, pour order 44): 40.75,88.552 40.75,87.752 46.25,87.752 46.25,88.552 56.35,88.552 56.35,90.962 38.312,90.962 5.312,90.962 5.312,88.452 20.25,88.452 20.25,86.552 30.25,86.552 30.25,88.552
V on Top Layer "V_L01_P026" (solid, remove dead copper, pour order 26): 45.75,85.006 45.75,79.652 53.947,79.652 54,79.705 54,77.552 41.5,77.552 41.5,81.456 23.15,81.456 23.15,85.006
PGND_ on Top Layer "PGND__L01_P010" (solid, pour order 10): 5.312,95.457 5.312,96.802 49.662,96.802 49.662,95.457 49.662,91.452 5.312,91.452
W on INT1 "W_L02_P052" (solid, remove dead copper, pour order 52): 60.45,95.752 64.35,95.752 64.35,80.052 61.35,80.052 46.55,80.052 46.55,84.952 60.45,84.952
U on INT1 "U_L02_P034" (solid, remove dead copper, pour order 34): 22.45,83.326 22.45,96.052 17.85,96.052 17.85,85.206 14,85.206 2.5,85.206 2.5,78.456 19.25,78.456 19.25,72.706 54,72.706 54,77.206 41,77.206 41,80.906 22.45,80.906
V on INT1 "V_L02_P032" (solid, remove dead copper, pour order 32): 38.25,85.006 38.25,96.152 45.75,96.152 45.75,79.652 54,79.652 54,77.552 41.5,77.552 41.5,81.456 23,81.456 23,85.006
PGND on INT2 "PGND_L03_P042" (solid, remove dead copper, pour order 42): 10,99.456 14,99.456 14,90.552 10,90.552
PGND on INT2 "PGND_L03_P040" (solid, remove dead copper, pour order 40): 30.5,99.456 34.5,99.456 34.5,90.552 30.5,90.552
PGND on INT2 "PGND_L03_P016" (solid, remove dead copper, pour order 16): 51.75,99.456 55.75,99.456 55.75,90.552 51.75,90.552
PGND on INT2 "PGND_L03_P014" (solid, remove dead copper, pour order 14): 7.65,99.552 65.211,99.552 65.211,72.706 7.65,72.706
GND on INT2 "GND_L03_P048" (solid, remove dead copper, pour order 48): -6.85,89.552 2.85,89.552 2.85,102.552 66.65,102.552 66.65,129.552 -6.85,129.552
+27V on Bottom Layer "+27V_L04_P008" (solid, remove dead copper, pour order 8): 63.25,88.706 9.9,88.706 9.9,72.706 63.25,72.706

## Keep-outs
Top Layer:
  lines w0.02: 3,1.4 cw(c3,3.5) 3,5.6 6,5.6 cw(c6,3.5) 6,1.4 3,1.4 ; 3,55.9 cw(c3,58) 3,60.1 6,60.1 cw(c6,58) 6,55.9 3,55.9 ; 53,1.4 cw(c53,3.5) 53,5.6 56,5.6 cw(c56,3.5) 56,1.4 53,1.4 ; 53,55.9 cw(c53,58) 53,60.1 56,60.1 cw(c56,58) 56,55.9 53,55.9
Bottom Layer:
  lines w0.02: 3,1.4 cw(c3,3.5) 3,5.6 6,5.6 cw(c6,3.5) 6,1.4 3,1.4 ; 3,55.9 cw(c3,58) 3,60.1 6,60.1 cw(c6,58) 6,55.9 3,55.9 ; 53,1.4 cw(c53,3.5) 53,5.6 56,5.6 cw(c56,3.5) 56,1.4 53,1.4 ; 53,55.9 cw(c53,58) 53,60.1 56,60.1 cw(c56,58) 56,55.9 53,55.9
Keep-Out Layer:
  lines w0.2: 0,2 ccw(c2,2) 2,0 ; 57,0 ccw(c57,2) 59,2 ; 65,0 65,52.5 ccw(c63,52.5) 63,54.5 59,54.5 59,59.5 ccw(c57,59.5) 57,61.5 2,61.5 ccw(c2,59.5) 0,59.5 0,54.5 -7,54.5 -7,26 -8,26 -8,7 0,7 0,0 59,0 59,7 63,7 ccw(c63,9) 65,9

## Other copper
Bottom Layer:
  rectangle net NetR34_2: 57,28.538 58.5,39.288
  rectangle net NetR13_2: 35,28.538 36.5,39.288
  rectangle net NetR36_2: 45,28.538 46.5,39.288
  rectangle net NetR20_2: 23.75,28.538 25.25,39.288
  rectangle net W: 60.3,28.288 64.3,32.538
  rectangle net V: 38.3,28.288 42.3,32.538
  rectangle net U: 18.55,28.288 22.55,32.538
  rectangle net NetR5_2: 15.25,28.538 16.75,39.288
  rectangle net NetR8_2: 4,28.538 5.5,39.288
  rectangle net U: 3.8,18.242 10.25,21.742
  rectangle net V: 23.3,18.242 30,21.742
  rectangle net W: 44.75,16.788 54.2,20.038
  region net PGND_: 55.3,31.288 49.55,31.288 49.55,28.288 55.3,28.288
  region net PGND_: 34.05,31.288 28.3,31.288 28.3,28.288 34.05,28.288
  region net PGND_: 14.3,31.288 8.625,31.288 8.625,28.288 14.3,28.288

## Silkscreen, mask and mechanical layers (free items; w line width, h text height)
Top Assy:
  lines w0.2: 55.924,10.7 57.463,10.7 ; 56.6,9.822 56.6,11.439 ; 65,19.75 3.5,19.75 3.5,27.75 65,27.75
Border:
  lines w0.2: -2.85,125.556 0.15,125.556 ; 3.65,74.037 3.65,77.052 -6.85,77.052 -6.85,126.552 3.65,126.552 3.65,127.304 ; 3.652,74.037 ccw(c5.652,74.037) 5.9,72.052 58.15,72.052 ccw(c58.15,74.052) 60.135,74.3 ; 3.665,127.304 cw(c5.65,127.552) 5.65,129.552 57.902,129.552 ; 57.902,129.537 cw(c58.15,127.552) 60.15,127.552 60.15,126.552 66.65,126.552 66.65,77.052 60.15,77.052 60.15,74.3 ; -2.85,78.049 cw(c-2.85,79.552) -2.85,81.056 0.15,81.056 cw(c0.15,79.552) 0.15,78.049 -2.85,78.049 ; 61.15,78.049 cw(c61.15,79.552) 61.15,81.056 64.15,81.056 cw(c64.15,79.552) 64.15,78.049 61.15,78.049

## Text inside footprints (layer, text, board x,y; h text height)
C11: Bottom Overlay "+" at -6.35,25.052 h2.5
C12: Bottom Overlay "+" at -6.35,14.802 h2.5
XP1: Bottom Overlay "5" at 34,19.25 h2.5 r180; Bottom Overlay "1" at 34,2 h2.5 r180
XP3: Bottom Overlay "1" at 12.003,2.05 h2 r180; Bottom Overlay "3" at 11.753,16.8 h2 r180
XT1: Bottom Assy "1" at 56.55,9 h0.94 r270